# Altium PCB BEE_BOARD.PcbDoc (part 1 of 3) (continued)
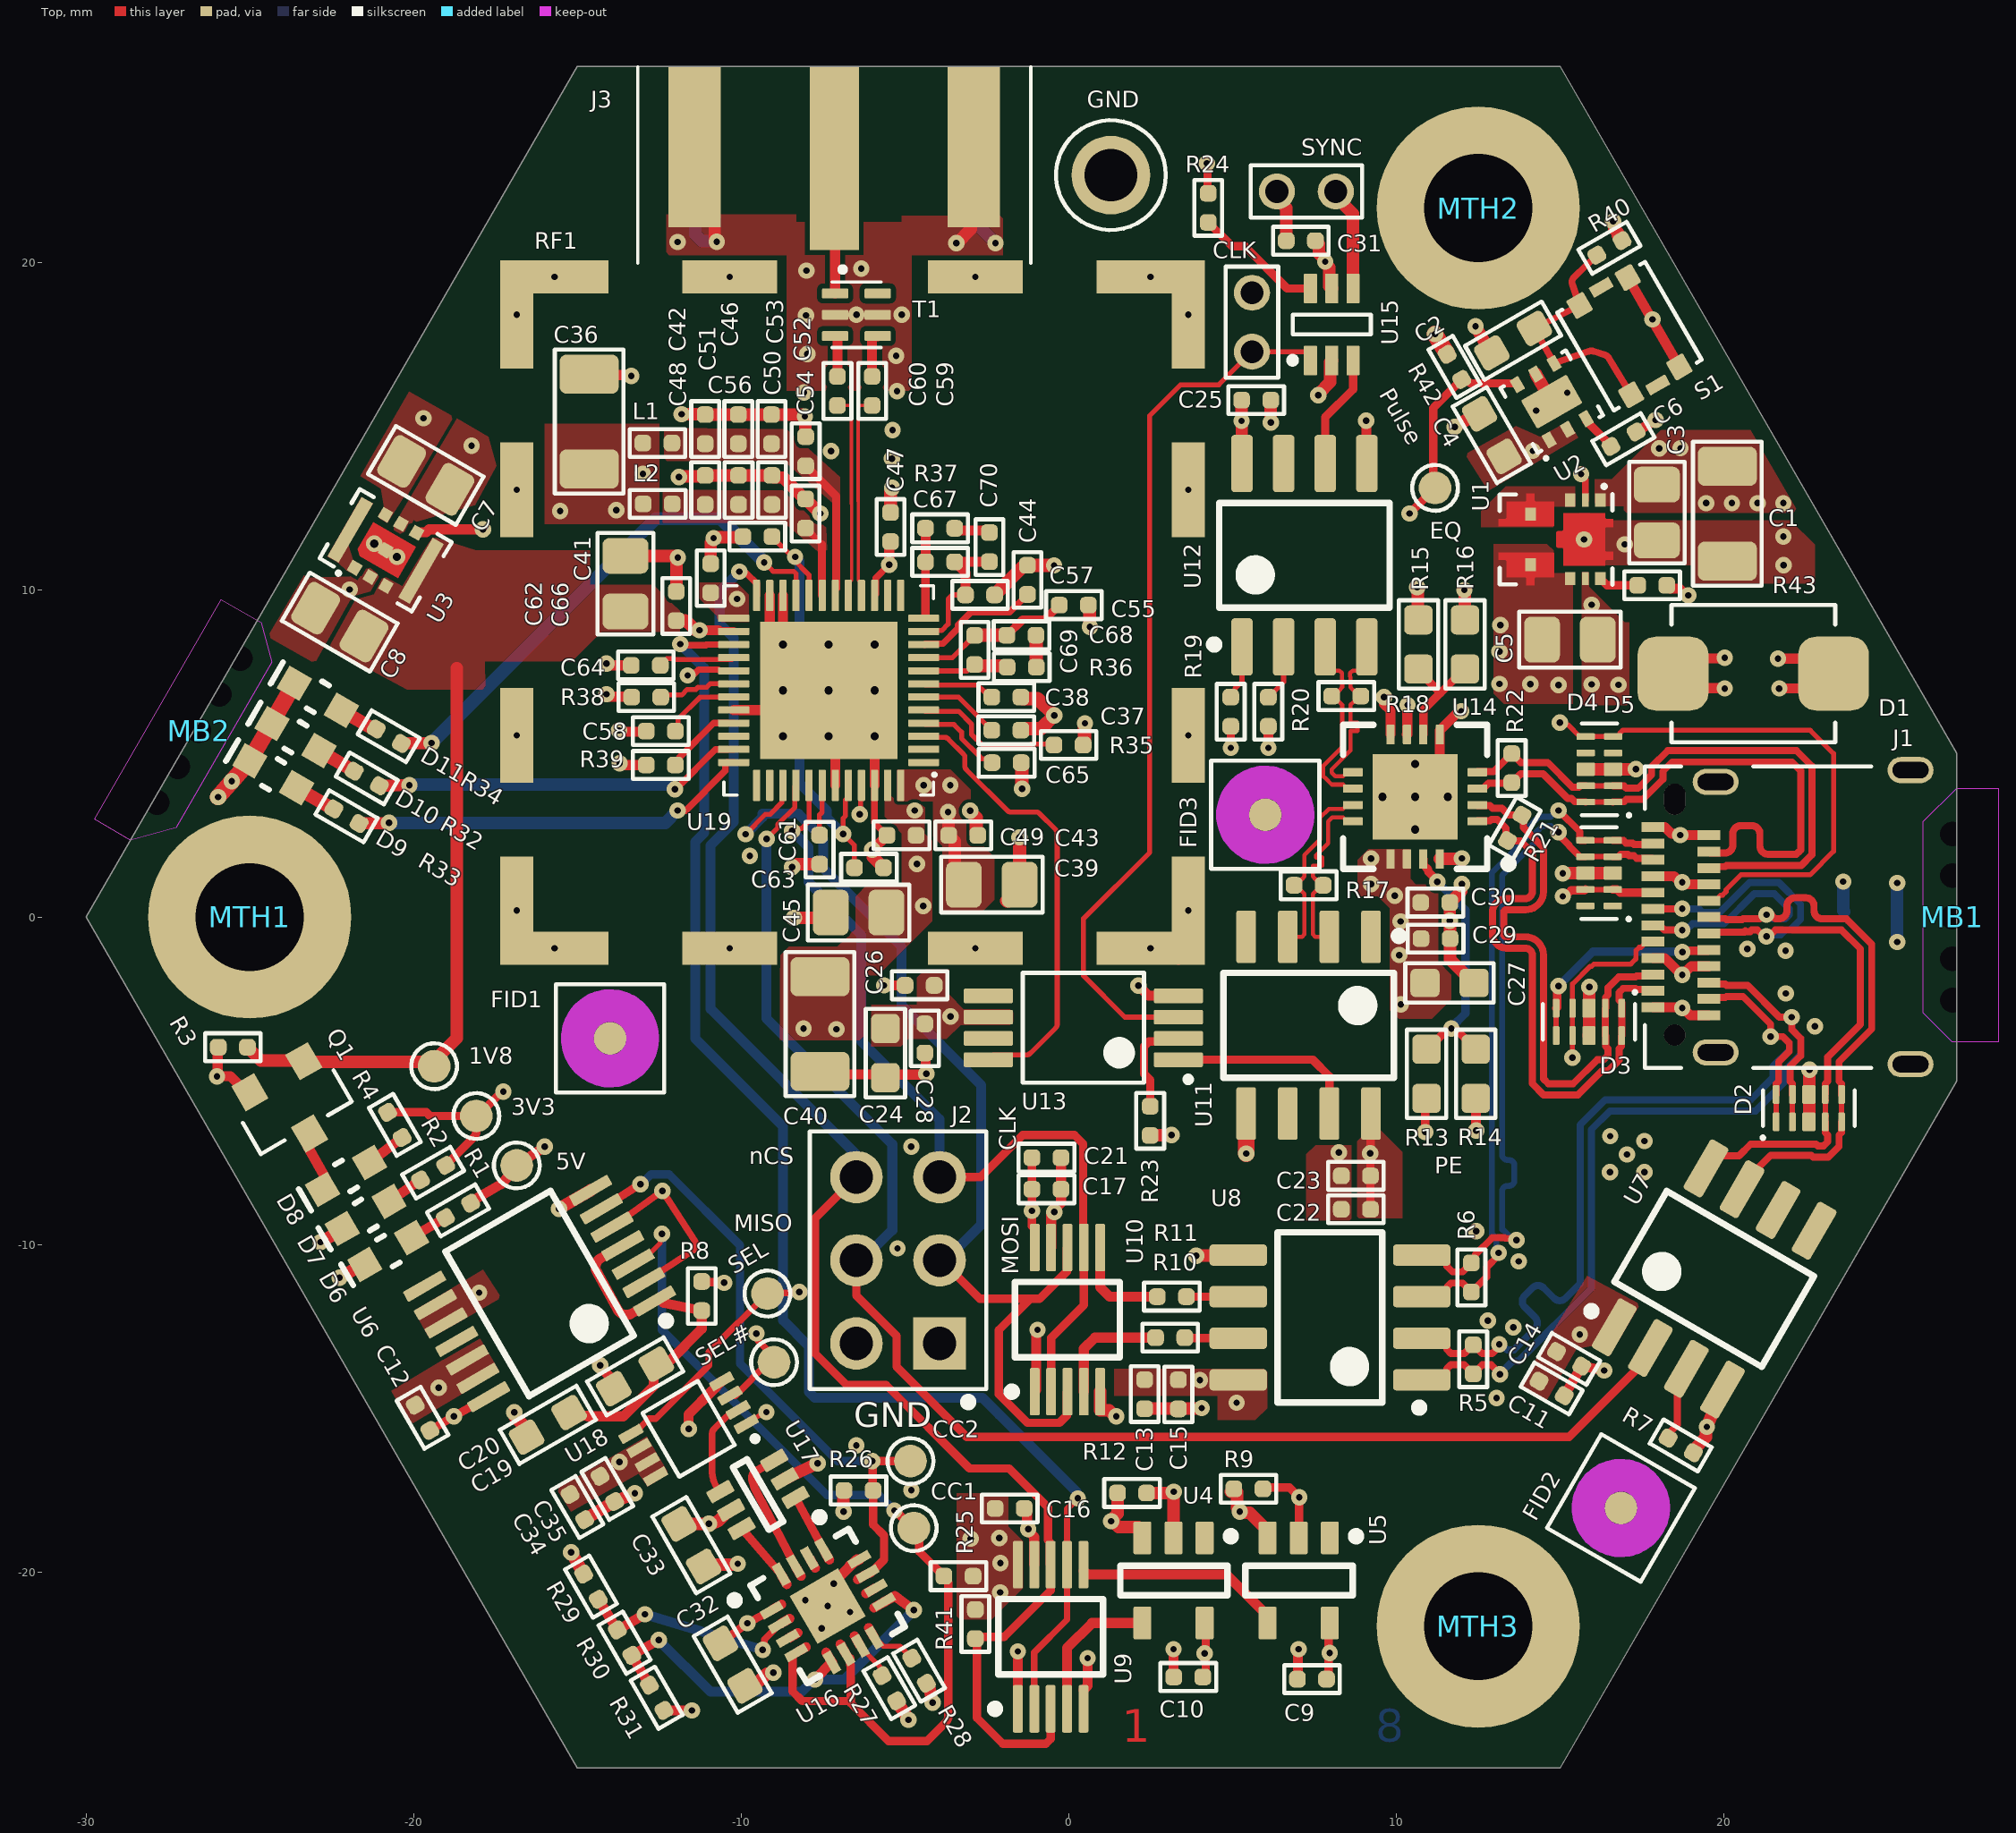
[diagram p0: Top view]
## Design rules (kind name [scope] priority, off if disabled: settings)
BoardOutlineClearance Clearance_Connecteur [InComponent('J3')] p1: gap=0 ignorepadtopadclearanceinfootprint=FALSE
BoardOutlineClearance BoardOutlineClearance-Silk [(OnLayer('Bottom Overlay')) OR (OnLayer('Top Overlay'))] p2: gap=0 ignorepadtopadclearanceinfootprint=FALSE
BoardOutlineClearance BoardOutlineClearance-Fiducials [InComponentClass('Fiducials')] p3: gap=0 ignorepadtopadclearanceinfootprint=FALSE
BoardOutlineClearance BoardOutlineClearance-MouseBites [HasFootprint('PNL_MOUSEBITES_100MIL_5-HOLES')] p4: gap=0.254 ignorepadtopadclearanceinfootprint=FALSE except(0: Arc-SplitContinuation Track-SplitContinuation SMDPad-SplitContinuation THPad-OutlineEdge THPad-CavityEdge THPad-CutoutEdge THPad-SplitBarrior THPad-SplitContinuation Via-SplitContinuation Fill-SplitContinuation Poly-SplitContinuation Region-OutlineEdge Region-CavityEdge Region-CutoutEdge Region-SplitBarrior Region-SplitContinuation Text-SplitContinuation; 0.508: Arc-OutlineEdge Track-OutlineEdge SMDPad-OutlineEdge Via-OutlineEdge Fill-OutlineEdge Poly-OutlineEdge Text-OutlineEdge)
BoardOutlineClearance [All] p5: gap=0.508 ignorepadtopadclearanceinfootprint=FALSE
Clearance Clearance_wg [All vs InNamedPolygon('waveguide')] p1: gap=0.152 ignorepadtopadclearanceinfootprint=FALSE
Clearance Clearance_HOLE_2_PAD [IsVia and (NOT InAnyComponent) vs IsSMTPin Or IsThruPin  or IsVia] p2: gap=0 ignorepadtopadclearanceinfootprint=FALSE except(0.051: SMDPad-Via THPad-Via; 0.152: Via-Via)
Clearance Clearance_VIA_SAME [IsVia and (NOT InAnyComponent) vs IsVia and (NOT InAnyComponent)] p3: gap=0.132 ignorepadtopadclearanceinfootprint=FALSE
Clearance Clearance_VIA [IsVia AND (InAnyComponent) vs IsVia AND (InAnyComponent)] p4: gap=0.31 ignorepadtopadclearanceinfootprint=FALSE
Clearance Clearance_GEN [All] p5: gap=0.102 ignorepadtopadclearanceinfootprint=FALSE
ComponentClearance "Schematic Component Clearance Constraint_3" [InComponent('MB1')] p1: gap=0 collisioncheckmode=3 verticalgap=0 showdistances=FALSE
ComponentClearance [All] p2: gap=0.102 collisioncheckmode=3 verticalgap=0.102 showdistances=FALSE
DiffPairsRouting DIFF_100_OHM [InDifferentialPairClass('DIFF_100')] p1: maxlimit=0.203 minlimit=0.127 mostfreqgap=0.203 toplayer_maxgap=0.127 toplayer_prefgap=0.127 toplayer_minwidth=0.127 toplayer_maxwidth=0.127 toplayer_prefwidth=0.127 midlayer1_mingap=0.203 midlayer1_minwidth=0.102 midlayer1_maxwidth=0.102 midlayer1_prefwidth=0.102 midlayer2_mingap=0.203 midlayer2_minwidth=0.102 midlayer2_maxwidth=0.102 midlayer2_prefwidth=0.102 bottomlayer_maxgap=0.127 bottomlayer_prefgap=0.127 bottomlayer_minwidth=0.127 bottomlayer_maxwidth=0.127 bottomlayer_prefwidth=0.127 maxuncoupledlength=12.7
DiffPairsRouting DIFF_90_OHM [InDifferentialPairClass('DIFF_90')] p2: maxlimit=0.178 minlimit=0.127 mostfreqgap=0.178 toplayer_maxgap=0.127 toplayer_prefgap=0.127 toplayer_minwidth=0.191 toplayer_maxwidth=0.191 toplayer_prefwidth=0.191 midlayer1_mingap=0.178 midlayer1_minwidth=0.127 midlayer1_maxwidth=0.127 midlayer1_prefwidth=0.127 midlayer2_mingap=0.178 midlayer2_minwidth=0.127 midlayer2_maxwidth=0.127 midlayer2_prefwidth=0.127 bottomlayer_maxgap=0.127 bottomlayer_prefgap=0.127 bottomlayer_minwidth=0.191 bottomlayer_maxwidth=0.191 bottomlayer_prefwidth=0.191 maxuncoupledlength=12.7
DiffPairsRouting DIFF_85_OHM [InDifferentialPairClass('DIFF_85')] p3: maxlimit=0.14 minlimit=0.127 mostfreqgap=0.14 toplayer_maxgap=0.127 toplayer_prefgap=0.127 toplayer_minwidth=0.216 toplayer_maxwidth=0.216 toplayer_prefwidth=0.216 midlayer1_mingap=0.14 midlayer1_minwidth=0.127 midlayer1_maxwidth=0.127 midlayer1_prefwidth=0.127 midlayer2_mingap=0.14 midlayer2_minwidth=0.127 midlayer2_maxwidth=0.127 midlayer2_prefwidth=0.127 bottomlayer_maxgap=0.127 bottomlayer_prefgap=0.127 bottomlayer_minwidth=0.216 bottomlayer_maxwidth=0.216 bottomlayer_prefwidth=0.216 maxuncoupledlength=12.7
HoleSize [All] p1: absolutevalues=TRUE maxlimit=6.5 minlimit=0.2 maxpercent=80.000 minpercent=20.000
HoleToHoleClearance HoleToHoleClearance_Via [All] p1: gap=0.203 allowstackedmicrovias=TRUE
MatchedLengths [InNetClass('TX')] p1: tolerance=0.025 checknetsindiffpair=FALSE checkdiffpairvsdiffpair=TRUE checkxsignals=TRUE checkothers=TRUE
MatchedLengths DiffMatching_WithinPair [InDifferentialPairClass('All Differential Pairs')] p2: tolerance=0.025 checknetsindiffpair=TRUE checkdiffpairvsdiffpair=FALSE checkxsignals=FALSE checkothers=FALSE
MinimumAnnularRing [All] p1: minimumring=0.1
MinimumSolderMaskSliver [All] p1: minsoldermaskwidth=0.1
PasteMaskExpansion [All] p1: expansion=-0.025
PlaneClearance "Schematic Power Plane Clearance_3" [InComponent('MB1')] p1: clearance=0.508
PlaneClearance [All] p2: clearance=0.152
PlaneConnect [All] p1: pad.planeconnectstyle=Relief pad.reliefexpansion=0.508 pad.reliefentries=4 pad.reliefconductorwidth=0.254 pad.reliefairgap=0.254 via.planeconnectstyle=Direct via.reliefexpansion=0.508 via.reliefentries=4 via.reliefconductorwidth=0.254 via.reliefairgap=0.254
PolygonConnect [All] p1: thpad.connectstyle=Relief thpad.reliefconductorwidth=0.254 thpad.reliefentries=4 thpad.polygonreliefangle="90 Angle" thpad.airgapwidth=0.254 smdpad.connectstyle=Direct smdpad.reliefconductorwidth=0.254 smdpad.reliefentries=4 smdpad.polygonreliefangle="90 Angle" smdpad.airgapwidth=0.254 via.connectstyle=Direct via.reliefconductorwidth=0.254 via.reliefentries=4 via.polygonreliefangle="90 Angle" via.airgapwidth=0.254
RoutingVias [All] p1: holewidth=0.25 width=0.55 viastyle="Through Hole" minholewidth=0.2 minwidth=0.5 maxholewidth=6.5 maxwidth=7.5
SilkToSilkClearance [All] p1: silktosilkclearance=0.025
SilkToSolderMaskClearance [IsPad] p1: minsilkscreentomaskgap=0.025 clearancetoexposedcopper=FALSE
SolderMaskExpansion [All] p1: expansion=0.07 istentingtop=FALSE
UnRoutedNet [All] p1: checkbadconnections=TRUE
Width Width_50_OHM [InNetClass('SE_50OHM')] p1: maxlimit=0.305 minlimit=0.152 preferedwidth=0.305 toplayer_minwidth=0.305 midlayer1_maxwidth=0.152 midlayer1_prefwidth=0.152 midlayer2_maxwidth=0.152 midlayer2_prefwidth=0.152 bottomlayer_minwidth=0.305 minimp=50.000000 maximp=50.000000 favimp=50.000000
Width [All] p2: maxlimit=2.54 minlimit=0.102 preferedwidth=0.305 minimp=50.000000 maximp=50.000000 favimp=50.000000
19 further rules are at their usual default settings.

## Classes and differential pairs
net class TX: TX1_N TX1_P TX2_N TX2_P
net class SE_50OHM: NetC59_1 NetC60_1 NetJ3_1 NetR10_1 NetR11_1
differential pair class DIFF_85: D RX1 RX2 TX1 TX2
component class "Polarity Check": C32 C33 C34 C35 CC1 CC2 Pulse R25 R26 R27 R28 R29 R30 R31 SEL SEL# U16 U17 U18
differential pair class DIFF_100: CLK_BB_LVDS RF SYNC_BB_LVDS
component class TOP: D1 D2 D3 D4 D5 GND J1 J2 RS
component class POWER: 1V8 3V3 5V C1 C2 C3 C4 C5 C6 C7 C8 D6 D7 D8 Q1 R1 R2 R3 R4 R40 R42 R43 S1 U1 U2 U3
component class RECEIVE: C9 C10 C11 C12 C13 C14 C15 C16 C17 C19 C20 C21 C22 C23 C24 C25 C26 C27 C28 C29 C30 C31 CLK R5 R6 R7 R8 R9 R10 R11 R12 R13 R14 R15 R16 R17 R18 R19 R20 R21 R22 R23 R24 R41 SYNC U4 U5 U6 U7 U8 U9 U10 U11 U12 U13 U14 U15
component class DECAWAVE: C36 C37 C38 C39 C40 C41 C42 C43 C44 C45 C46 C47 C48 C49 C50 C51 C52 C53 C54 C55 C56 C57 C58 C59 C60 C61 C62 C63 C64 C65 C66 C67 C68 C69 C70 D9 D10 D11 J3 L1 L2 R32 R33 R34 R35 R36 R37 R38 R39 RF1 T1 U19
component class BEE_BOARD_TITLE: FID1 FID2 FID3 MB1 MTH1 MTH2 MTH3
differential pair TX2: +TX2_P -TX2_N
differential pair TX1: +TX1_P -TX1_N
differential pair RX2: +RX2_P -RX2_N
differential pair RX1: +RX1_P -RX1_N
differential pair D: +D_P -D_N
differential pair SYNC_BB_LVDS: +SYNC_BB_LVDS_P -SYNC_BB_LVDS_N
differential pair RF: +RF_P -RF_N
differential pair CLK_BB_LVDS: +CLK_BB_LVDS_P -CLK_BB_LVDS_N

## Components (designator, comment, footprint, x,y, rotation, side; value= is the part's Value field where it differs from the comment)
1V8 "1 MM" TPO_SMD_ROUND_1MM -19.371,-4.553 r300 top
3V3 "1 MM" TPO_SMD_ROUND_1MM -18.084,-6.072 r300 top
5V "1 MM" TPO_SMD_ROUND_1MM -16.85,-7.58 r120 top
C1 "CL31A226KAHNNNE" CAP_CER_1206 20.106,12.319 r90 top value=22uF
C2 "C0603C105K8PACTU" CAP_CER_0603 13.567,17.603 r210 top value=1uF
C3 "C2012X7R1E475K125AE" CAP_CER_0805 17.958,12.356 r90 top value=4.7uF
C4 "C0603C105K8PACTU" CAP_CER_0603 12.918,14.719 r120 top value=1uF
C5 "GRM21BR61C106KE15K" CAP_CER_0805 15.3,8.475 r180 top value=10uF
C6 "CGA2B3X7R1E104K050BB" CAP_CER_0402 16.935,14.594 r210 top value=100nF
C7 "C2012X7R1E475K125AE" CAP_CER_0805 -19.625,13.488 r150 top value=4.7uF
C8 "GRM21BR61C106KE15K" CAP_CER_0805 -22.252,9.008 r330 top value=10uF
C9 "CGA2B3X7R1E104K050BB" CAP_CER_0402 7.427,-23.268 r0 top value=100nF
C10 "CGA2B3X7R1E104K050BB" CAP_CER_0402 3.65,-23.202 r0 top value=100nF
C11 "CL05B103KA5NNNC" CAP_CER_0402 14.743,-14.391 r150 top value=10nF
C12 "CGA2B3X7R1E104K050BB" CAP_CER_0402 -19.725,-15.288 r120 top value=100nF
C13 "CL05B103KA5NNNC" CAP_CER_0402 2.317,-14.565 r90 top value=10nF
C14 "JMK105B7474KVHF" CAP_CER_0402 15.277,-13.487 r150 top value=470nF
C15 "JMK105B7474KVHF" CAP_CER_0402 3.348,-14.573 r90 top value=470nF
C16 "CGA2B3X7R1E104K050BB" CAP_CER_0402 -1.803,-18.055 r180 top value=100nF
C17 "CL05B103KA5NNNC" CAP_CER_0402 -0.678,-8.309 r180 top value=10nF
C19 "C0603C105K8PACTU" CAP_CER_0603 -15.9,-15.503 r210 top value=1uF
C20 "C0603C105K8PACTU" CAP_CER_0603 -13.239,-14.025 r210 top value=1uF
C21 "JMK105B7474KVHF" CAP_CER_0402 -0.678,-7.346 r180 top value=470nF
C22 "CGA2B3X7R1E104K050BB" CAP_CER_0402 8.767,-8.923 r0 top value=100nF
C23 "CC0402KRX7R9BB102" CAP_CER_0402 8.767,-7.899 r0 top value=1nF
C24 "C0603C105K8PACTU" CAP_CER_0603 -5.595,-4.151 r270 top value=1uF
C25 "CGA2B3X7R1E104K050BB" CAP_CER_0402 5.724,15.789 r180 top value=100nF
C26 "CGA2B3X7R1E104K050BB" CAP_CER_0402 -4.551,-2.083 r0 top value=100nF
C27 "C0603C105K8PACTU" CAP_CER_0603 11.625,-2.011 r0 top value=1uF
C28 "CC0402KRX7R9BB102" CAP_CER_0402 -4.392,-3.703 r90 top value=1nF
C29 "CGA2B3X7R1E104K050BB" CAP_CER_0402 11.2,-0.66 r180 top value=100nF
C30 "CC0402KRX7R9BB102" CAP_CER_0402 11.192,0.444 r180 top value=1nF
C31 "CGA2B3X7R1E104K050BB" CAP_CER_0402 7.086,20.656 r180 top value=100nF
C32 "C0603C105K8PACTU" CAP_CER_0603 -10.258,-22.824 r300 top value=1uF
C33 "C0603C105K8PACTU" CAP_CER_0603 -11.521,-19.178 r300 top value=1uF
C34 "CGA2B3X7R1E104K050BB" CAP_CER_0402 -15,-18.013 r120 top value=100nF
C35 "CGA2B3X7R1E104K050BB" CAP_CER_0402 -14.084,-17.46 r120 top value=100nF
C36 "CL31A226KAHNNNE" CAP_CER_1206 -14.638,15.134 r270 top value=22uF
C37 "CGA2B3X7R1E104K050BB" CAP_CER_0402 -1.904,5.705 r180 top value=100nF
C38 "CGA2B3X7R1E104K050BB" CAP_CER_0402 -1.904,6.721 r180 top value=100nF
C39 "C2012X7R1E475K125AE" CAP_CER_0805 -2.348,0.991 r180 top value=4.7uF
C40 "CL31A226KAHNNNE" CAP_CER_1206 -7.591,-3.265 r90 top value=22uF
C41 "CGA2B3X7R1E104K050BB" CAP_CER_0402 -10.928,10.35 r270 top value=100nF
C42 "CGA2B3X7R1E104K050BB" CAP_CER_0402 -11.097,14.902 r270 top value=100nF
C43 "CGA2B3X7R1E104K050BB" CAP_CER_0402 -3.22,2.497 r180 top value=100nF
C44 "CGA2B3X7R1E104K050BB" CAP_CER_0402 -1.26,10.298 r270 top value=100nF
C45 "C2012X7R1E475K125AE" CAP_CER_0805 -6.413,0.14 r0 top value=4.7uF
C46 "CL05B103KA5NNNC" CAP_CER_0402 -10.085,14.902 r270 top value=10nF
C47 "CGA2B3X7R1E104K050BB" CAP_CER_0402 -5.437,11.911 r270 top value=100nF
C48 "CGA2B3X7R1E104K050BB" CAP_CER_0402 -11.097,13.043 r270 top value=100nF
C49 "CGA2B3X7R1E104K050BB" CAP_CER_0402 -5.103,2.497 r0 top value=100nF
C50 "CC0402KRX7R9BB102" CAP_CER_0402 -9.074,14.902 r270 top value=1nF
C51 "CL05B103KA5NNNC" CAP_CER_0402 -10.078,13.043 r270 top value=10nF
C52 "CC0402JRNPO9BN120" CAP_CER_0402 -8.027,14.227 r270 top value=12pF
C53 "CC0402KRX7R9BB102" CAP_CER_0402 -9.059,13.043 r270 top value=1nF
C54 "CC0402JRNPO9BN120" CAP_CER_0402 -8.031,12.324 r270 top value=12pF
C55 "CGA2B3X7R1E104K050BB" CAP_CER_0402 0.157,9.528 r180 top value=100nF
C56 "CGA2B3X7R1E104K050BB" CAP_CER_0402 -9.503,11.62 r0 top value=100nF
C57 "CGA2B3X7R1E104K050BB" CAP_CER_0402 -2.707,9.84 r180 top value=100nF
C58 "CGA2B3X7R1E104K050BB" CAP_CER_0402 -12.452,5.68 r0 top value=100nF
C59 "CC0402JRNPO9BN120" CAP_CER_0402 -6.001,16.068 r270 top value=12pF
C60 "CC0402JRNPO9BN120" CAP_CER_0402 -7.059,16.068 r270 top value=12pF
C61 "CGA2B3X7R1E104K050BB" CAP_CER_0402 -7.606,2.061 r90 top value=100nF
C62 "C2012X7R1E475K125AE" CAP_CER_0805 -13.532,10.182 r270 top value=4.7uF
C63 "CGA2B3X7R1E104K050BB" CAP_CER_0402 -6.096,1.508 r180 top value=100nF
C64 "CGA2B3X7R1E104K050BB" CAP_CER_0402 -12.911,7.688 r180 top value=100nF
C65 "CC0402JRNPO9BN101" CAP_CER_0402 -1.895,4.717 r180 top value=100pF
C66 "CGA2B3X7R1E104K050BB" CAP_CER_0402 -11.98,9.5 r270 top value=100nF
C67 "GRM1555C1H180GA01D" CAP_CER_0402 -3.926,10.849 r180 top value=18pF
C68 "CC0402JRNPO9BN270" CAP_CER_0402 -1.441,8.608 r0 top value=27pF
C69 "C0402C129C5GACTU" CAP_CER_0402 -2.871,8.159 r90 top value=1.2pF
C70 "CC0402KRX7R9BB821" CAP_CER_0402 -2.421,11.299 r90 top value=820pF
CC1 "1 MM" TPO_SMD_ROUND_1MM -4.729,-18.656 r0 top
CC2 "1 MM" TPO_SMD_ROUND_1MM -4.831,-16.61 r90 top
CLK "TH ROUND 0.7mm DOUBLE" TPO_TH_ROUND_0.7mm_DOUBLE 5.595,18.166 r270 top
D1 "SMBJ5.0A" TVS_PWR_SMBJ5.0CA 20.9,7.436 r0 top value="Vbr = 6.4V -  Clamp = 9.2V"
D2 "DT1140-04LP-7" TVS_DATA_DT1140-04LP-7 22.595,-5.833 r90 top value="5.5V @ 1mA (Reverse Standoff)"
D3 "DT1140-04LP-7" TVS_DATA_DT1140-04LP-7 15.881,-3.198 r270 top value="5.5V @ 1mA (Reverse Standoff)"
D4 "DT1140-04LP-7" TVS_DATA_DT1140-04LP-7 16.191,1.344 r180 top value="5.5V @ 1mA (Reverse Standoff)"
D5 "DT1140-04LP-7" TVS_DATA_DT1140-04LP-7 16.2,4.514 r180 top value="5.5V @ 1mA (Reverse Standoff)"
D6 "SML-D12P8WT86" LED_SML-D12P8WT86 -20.773,-10.196 r30 top value="560 nm (green)"
D7 "SML-D12P8WT86" LED_SML-D12P8WT86 -21.461,-9.097 r30 top value="560 nm (green)"
D8 "SML-D12P8WT86" LED_SML-D12P8WT86 -22.06,-7.905 r30 top value="560 nm (green)"
D9 "SML-D12P8WT86" LED_SML-D12P8WT86 -24.285,4.362 r330 top value="560 nm (green)"
D10 "SML-D12P8WT86" LED_SML-D12P8WT86 -23.603,5.499 r330 top value="560 nm (green)"
D11 "SML-D12P8WT86" LED_SML-D12P8WT86 -22.92,6.729 r330 top value="560 nm (green)"
FID1 "FID 1MM" FID_CIRCLE_1MM -14,-3.7 r0 top
FID2 "FID 1MM" FID_CIRCLE_1MM 16.857,-18.042 r60 top
FID3 "FID 1MM" FID_CIRCLE_1MM 6,3.125 r0 top
GND "5011" TPO_5011 1.289,22.658 r0 top
J1 "12401598E4#2A" CON_USB_3.2_TypeC_12401598E4#2A 18.5,0 r90 top value="USB 3.2 Type C"
J2 "10129381-906002BLF" CON_HDR_10129381-906002BLF -5.212,-10.478 r180 top value="6 Pos."
J3 "CONSMA020.062-G" CON_SMA_CONSMA020.062-G -7.156,23.168 r180 top value="50 ohm"
L1 "BLM15AG601SN1D" FER_0402 -12.555,14.477 r0 top value=600R@100Mhz
L2 "BLM15AG601SN1D" FER_0402 -12.547,12.618 r0 top value=600R@100Mhz
MB1 "MOUSE BITES" PNL_MOUSEBITES_100MIL_5-HOLES 28.375,0 r90 top
MB2 "MOUSE BITES" PNL_MOUSEBITES_100MIL_5-HOLES -27.77,6.399 r240 top (schematic designator MB1)
MTH1 "M3" MTH_M3#1 -25,0 r0 top locked
MTH2 "M3" MTH_M3#2 12.5,21.65 r0 top locked
MTH3 "M3" MTH_M3#1 12.5,-21.65 r0 top locked
Pulse "1 MM" TPO_SMD_ROUND_1MM 11.184,13.106 r90 top
Q1 "BSS138LT1G" TRX_NMOS_BSS138LT1G -23.675,-5.74 r300 top
R1 "ERJ-2RKF4020X" RES_0402 -18.643,-8.955 r30 top value=402R
R2 "ERJ-2RKF4750X" RES_0402 -19.404,-7.802 r30 top value=475R
R3 "RC0402FR-0710KL" RES_0402 -25.516,-3.971 r180 top value=10k
R4 "ERJ-2RKF4750X" RES_0402 -20.57,-6.344 r300 top value=475R
R5 "RC0402FR-0784R5L" RES_0402 12.35,-13.5 r270 top value=84R5
R6 "RC0402FR-0784R5L" RES_0402 12.295,-11.003 r270 top value=84R5
R7 "RC0402FR-071KL" RES_0402 18.683,-16.132 r150 top value=1k
R8 "RC0402FR-07100KL" RES_0402 -11.203,-11.569 r90 top value=100k
R9 "RC0402FR-0710KL" RES_0402 5.487,-17.457 r180 top value=10k
R10 "RC0402FR-0733RL" RES_0402 3.098,-12.841 r0 top value=33R
R11 "RC0402FR-0733RL" RES_0402 3.149,-11.589 r0 top value=33R
R12 "RC0402FR-0710KL" RES_0402 1.934,-17.584 r180 top value=10k
R13 "RC0603JR-070RL" RES_0603 10.925,-4.785 r270 top value=0R
R14 "RC0603JR-070RL" RES_0603 12.425,-4.785 r90 top value=0R
R15 "RC0603JR-070RL" RES_0603 10.675,8.325 r90 top value=0R
R16 "RC0603JR-070RL" RES_0603 12.1,8.325 r270 top value=0R
R17 "RC0402FR-07100RP" RES_0402 7.325,0.975 r0 top value=100R
R18 "RC0402FR-07100RP" RES_0402 8.475,6.75 r180 top value=100R
R19 "RC0402FR-071KL" RES_0402 4.948,6.271 r270 top value=1k
R20 "RC0402FR-071KL" RES_0402 6.095,6.271 r270 top value=1k
R21 "RMCF0402FT562R" RES_0402 13.616,2.725 r240 top value=562R
R22 "RMCF0402FT562R" RES_0402 13.525,4.55 r270 top value=562R
R23 "RC0402FR-0710KL" RES_0402 2.488,-6.219 r270 top value=10k
R24 "RC0402FR-0710KL" RES_0402 4.261,21.658 r90 top value=10k
R25 "RC0402FR-07100KL" RES_0402 -3.364,-20.124 r0 top value=100k
R26 "RC0402FR-07100KL" RES_0402 -6.417,-17.506 r0 top value=100k
R27 "RC0402FR-07100KL" RES_0402 -5.476,-23.546 r300 top value=100k
R28 "RC0402FR-07100KL" RES_0402 -4.569,-23.01 r300 top value=100k
R29 "RC0402FR-07100KL" RES_0402 -14.585,-20.444 r120 top value=100k
R30 "RMCF0402FT200K" RES_0402 -13.559,-22.154 r120 top value=200K
R31 "RC0402FR-07100KL" RES_0402 -12.577,-23.837 r120 top value=100k
R32 "ERJ-2RKF4750X" RES_0402 -21.428,4.235 r330 top value=475R
R33 "ERJ-2RKF4750X" RES_0402 -22.047,3.081 r330 top value=475R
R34 "ERJ-2RKF4750X" RES_0402 -20.756,5.523 r330 top value=475R
R35 "RC0402FR-0711KL" RES_0402 -0.004,5.255 r180 top value=11k
R36 "RC0402FR-0716KL" RES_0402 -1.433,7.634 r0 top value=16k
R37 "RC0402FR-07270RL" FER_0402 -3.926,11.874 r180 top value=270
R38 "RC0402FR-0710KL" RES_0402 -12.897,6.717 r0 top value=10k
R39 "RC0402FR-0710KL" RES_0402 -12.452,4.647 r0 top value=10k
R40 "RC0402FR-07100KL" RES_0402 16.508,20.436 r30 top value=100k
R41 "RC0402FR-0710KL" RES_0402 -2.85,-21.586 r90 top value=10k
R42 "RC0402FR-07100KL" RES_0402 11.775,16.801 r120 top value=100k
R43 "RC0402FR-07100KL" RES_0402 17.813,10.133 r0 top value=100k
RF1 "36103205S" RF_SH_BASE_36103205S -6.6,9.3 r0 top locked value=20x20x3mm
RS "RC0603JR-070RL" RES_0603 24.393,0.139 r0 bottom value=0R
S1 "435171014816" SWI_TACT_435171014816 17.119,17.74 r300 top value=SPST-NO